# KiCad board mainPCB.kicad_pcb (continued)
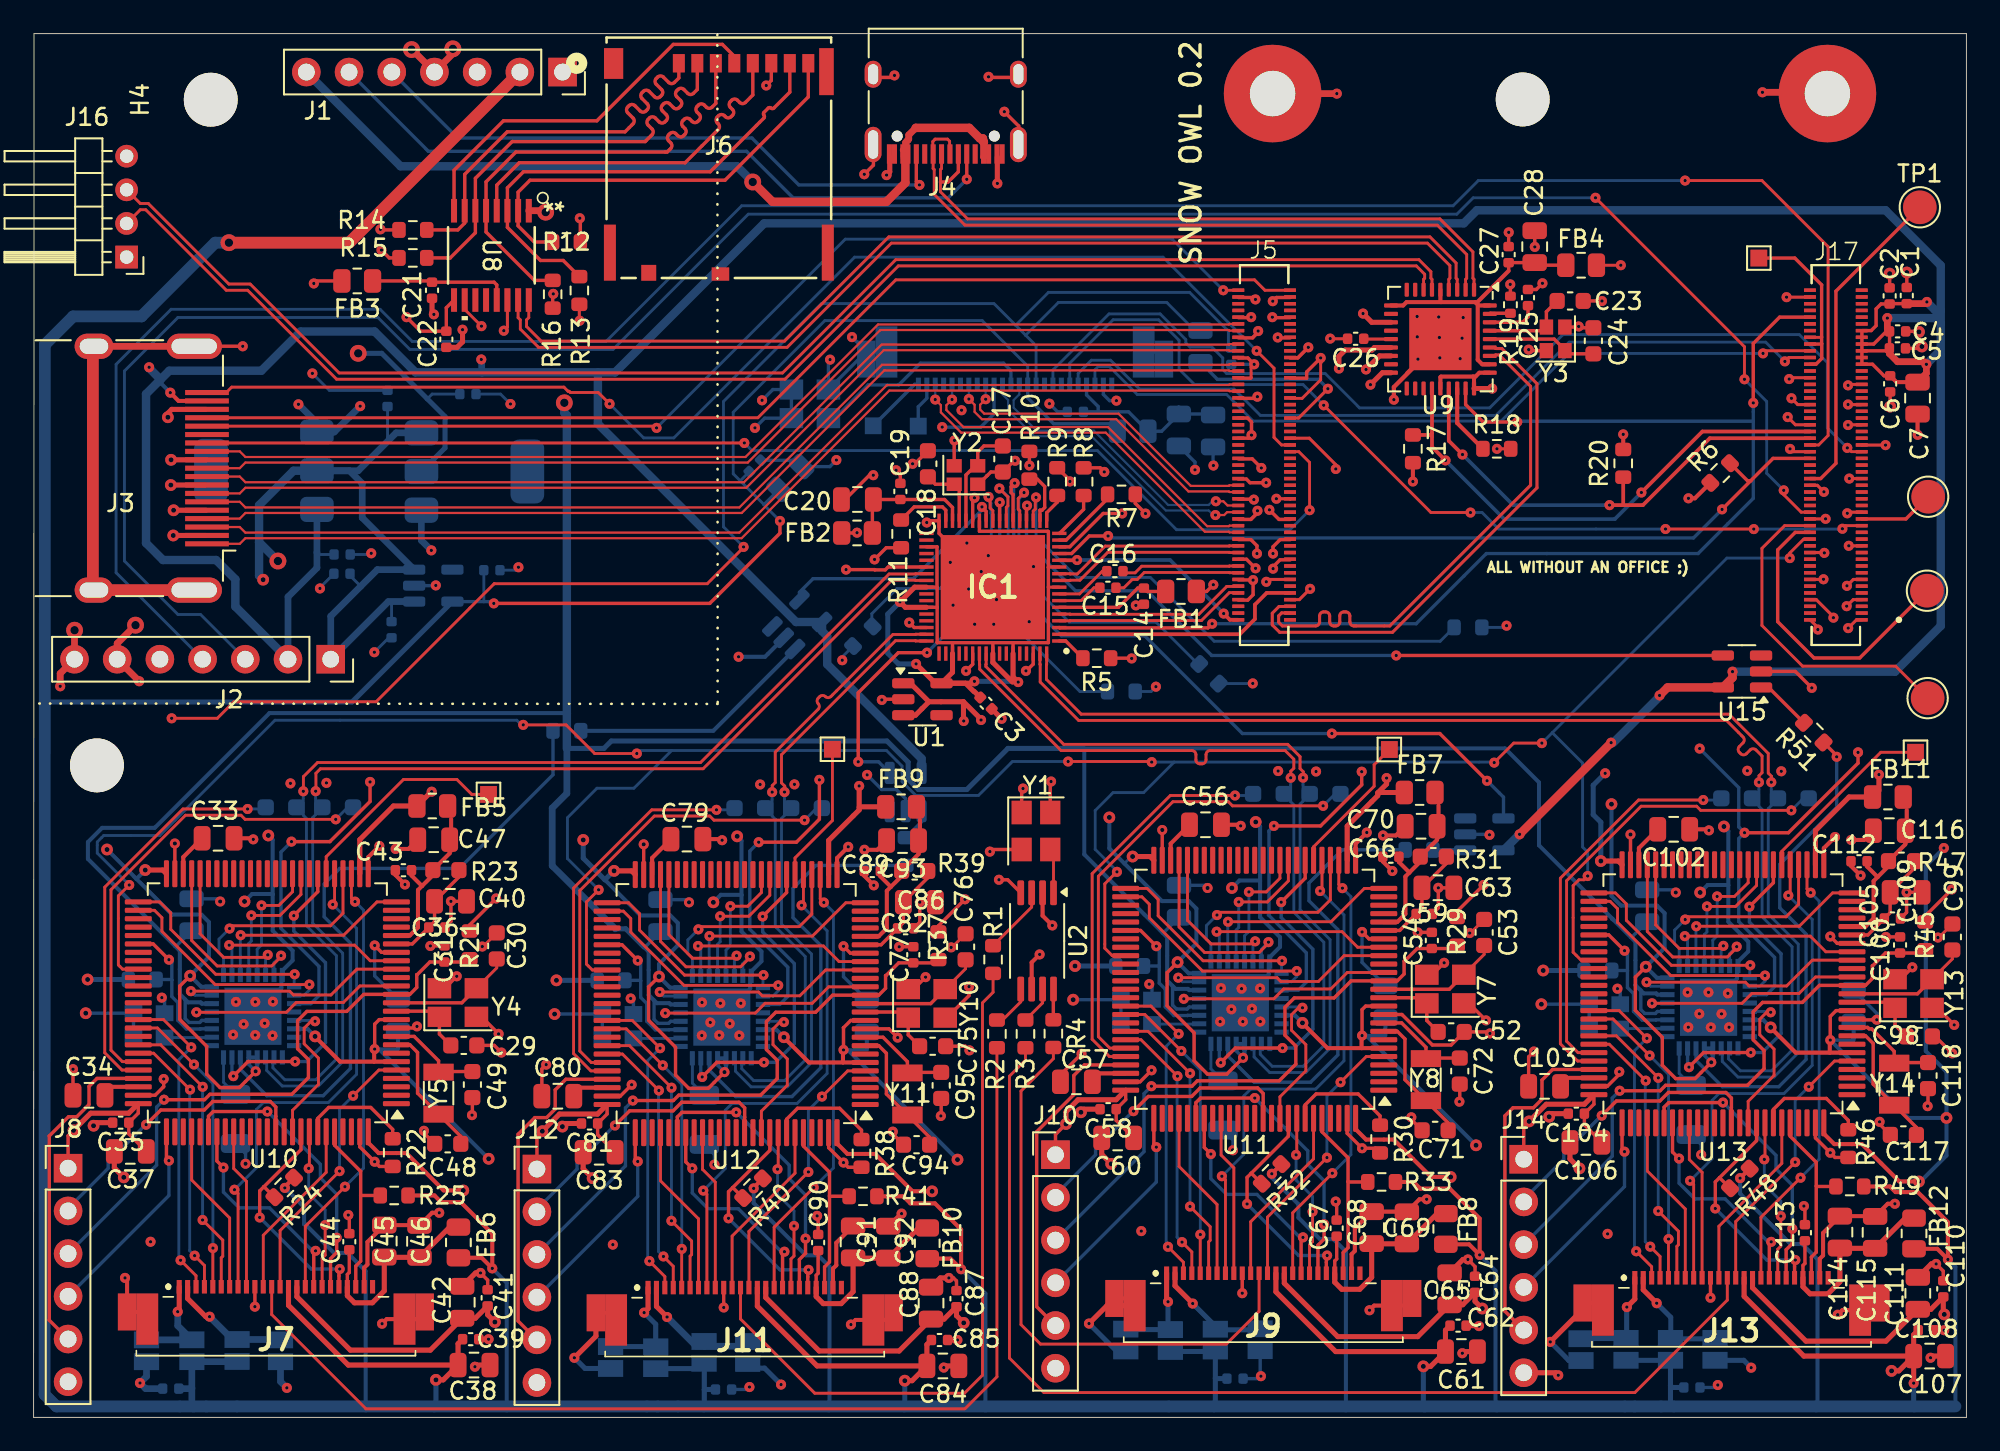
[diagram p0: board, top side]
## Nets (continued)
/stm-camera0/Y3: J7.5 U10.66
/stm-camera0/Y4: J7.7 U10.79
/stm-camera0/Y5: J7.9 U10.84
/stm-camera0/Y6: J7.11 U10.95
/stm-camera0/Y7: J7.13 U10.5
/stm-camera1/AFVDD2.8V: J9.1 JP10.1 JP14.1
/stm-camera1/BACKUP_USB_D+: R58.1 U11.71
/stm-camera1/BACKUP_USB_D-: R54.1 U11.70
/stm-camera1/cam_SCL: J9.20 R32.2 U11.92
/stm-camera1/cam_SDA: J9.22 R33.2 U11.96
/stm-camera1/HSYNC: J9.16 U11.28
/stm-camera1/PCLK: J9.8 U11.30
/stm-camera1/PHY-RESETB: IC3.27 R34.1 U11.56
/stm-camera1/PWDN: J9.17 U11.82
/stm-camera1/RST: J9.19 U11.81
/stm-camera1/STM_RST: C54.1 J10.3 R29.2 U11.14
/stm-camera1/STMPHY_CLKOUT: IC3.1 U11.29
/stm-camera1/STMPHY_D0: IC3.3 U11.25
/stm-camera1/STMPHY_D1: IC3.4 U11.34
/stm-camera1/STMPHY_D2: IC3.5 U11.35
/stm-camera1/STMPHY_D3: IC3.6 U11.46
/stm-camera1/STMPHY_D4: IC3.7 U11.47
/stm-camera1/STMPHY_D5: IC3.9 U11.51
/stm-camera1/STMPHY_D6: IC3.10 U11.52
/stm-camera1/STMPHY_D7: IC3.13 U11.91
/stm-camera1/STMPHY_DIR: IC3.31 U11.17
/stm-camera1/STMPHY_NXT: IC3.2 U11.18
/stm-camera1/STMPHY_OP_ID: IC3.23 U11.32
/stm-camera1/STMPHY_STP: IC3.29 U11.15
/stm-camera1/SWCLK: J10.4 U11.76
/stm-camera1/SWDIO: J10.5 U11.72
/stm-camera1/SWO: J10.2 U11.89
/stm-camera1/VSYNC: J9.18 U11.93
/stm-camera1/Y0: J9.6 U11.68
/stm-camera1/Y1: J9.4 U11.69
/stm-camera1/Y2: J9.3 U11.65
/stm-camera1/Y3: J9.5 U11.66
/stm-camera1/Y4: J9.7 U11.79
/stm-camera1/Y5: J9.9 U11.84
/stm-camera1/Y6: J9.11 U11.95
/stm-camera1/Y7: J9.13 U11.5
/stm-camera2/AFVDD2.8V: J11.1 JP11.1 JP15.1
/stm-camera2/BACKUP_USB_D+: R59.1 U12.71
/stm-camera2/BACKUP_USB_D-: R55.1 U12.70
/stm-camera2/cam_SCL: J11.20 R40.2 U12.92
/stm-camera2/cam_SDA: J11.22 R41.2 U12.96
/stm-camera2/HSYNC: J11.16 U12.28
/stm-camera2/PCLK: J11.8 U12.30
/stm-camera2/PHY-RESETB: IC4.27 R42.1 U12.56
/stm-camera2/PWDN: J11.17 U12.82
/stm-camera2/RST: J11.19 U12.81
/stm-camera2/STM_RST: C77.1 J12.3 R37.2 U12.14
/stm-camera2/STMPHY_CLKOUT: IC4.1 U12.29
/stm-camera2/STMPHY_D0: IC4.3 U12.25
/stm-camera2/STMPHY_D1: IC4.4 U12.34
/stm-camera2/STMPHY_D2: IC4.5 U12.35
/stm-camera2/STMPHY_D3: IC4.6 U12.46
/stm-camera2/STMPHY_D4: IC4.7 U12.47
/stm-camera2/STMPHY_D5: IC4.9 U12.51
/stm-camera2/STMPHY_D6: IC4.10 U12.52
/stm-camera2/STMPHY_D7: IC4.13 U12.91
/stm-camera2/STMPHY_DIR: IC4.31 U12.17
/stm-camera2/STMPHY_NXT: IC4.2 U12.18
/stm-camera2/STMPHY_OP_ID: IC4.23 U12.32
/stm-camera2/STMPHY_STP: IC4.29 U12.15
/stm-camera2/SWCLK: J12.4 U12.76
/stm-camera2/SWDIO: J12.5 U12.72
/stm-camera2/SWO: J12.2 U12.89
/stm-camera2/VSYNC: J11.18 U12.93
/stm-camera2/Y0: J11.6 U12.68
/stm-camera2/Y1: J11.4 U12.69
/stm-camera2/Y2: J11.3 U12.65
/stm-camera2/Y3: J11.5 U12.66
/stm-camera2/Y4: J11.7 U12.79
/stm-camera2/Y5: J11.9 U12.84
/stm-camera2/Y6: J11.11 U12.95
/stm-camera2/Y7: J11.13 U12.5
/stm-camera3/AFVDD2.8V: J13.1 JP12.1 JP16.1
/stm-camera3/BACKUP_USB_D+: R60.1 U13.71
/stm-camera3/BACKUP_USB_D-: R56.1 U13.70
/stm-camera3/cam_SCL: J13.20 R48.2 U13.92
/stm-camera3/cam_SDA: J13.22 R49.2 U13.96
/stm-camera3/HSYNC: J13.16 U13.28
/stm-camera3/PCLK: J13.8 U13.30
/stm-camera3/PHY-RESETB: IC5.27 R50.1 U13.56
/stm-camera3/PWDN: J13.17 U13.82
/stm-camera3/RST: J13.19 U13.81
/stm-camera3/STM_RST: C100.1 J14.3 R45.2 U13.14
/stm-camera3/STMPHY_CLKOUT: IC5.1 U13.29
/stm-camera3/STMPHY_D0: IC5.3 U13.25
/stm-camera3/STMPHY_D1: IC5.4 U13.34
/stm-camera3/STMPHY_D2: IC5.5 U13.35
/stm-camera3/STMPHY_D3: IC5.6 U13.46
/stm-camera3/STMPHY_D4: IC5.7 U13.47
/stm-camera3/STMPHY_D5: IC5.9 U13.51
/stm-camera3/STMPHY_D6: IC5.10 U13.52
/stm-camera3/STMPHY_D7: IC5.13 U13.91
/stm-camera3/STMPHY_DIR: IC5.31 U13.17
/stm-camera3/STMPHY_NXT: IC5.2 U13.18
/stm-camera3/STMPHY_OP_ID: IC5.23 U13.32
/stm-camera3/STMPHY_STP: IC5.29 U13.15
/stm-camera3/SWCLK: J14.4 U13.76
/stm-camera3/SWDIO: J14.5 U13.72
/stm-camera3/SWO: J14.2 U13.89
/stm-camera3/VSYNC: J13.18 U13.93
/stm-camera3/Y0: J13.6 U13.68
/stm-camera3/Y1: J13.4 U13.69
/stm-camera3/Y2: J13.3 U13.65
/stm-camera3/Y3: J13.5 U13.66
/stm-camera3/Y4: J13.7 U13.79
/stm-camera3/Y5: J13.9 U13.84
/stm-camera3/Y6: J13.11 U13.95
/stm-camera3/Y7: J13.13 U13.5
/USB3_D+: J16.2 U9.7
/USB3_D-: J16.3 U9.6
/USB3_SD_D+: U8.15 U9.4
/USB3_SD_D-: U8.16 U9.3
/USB_HUB_SCL: R20.1 U3.56 U9.24
/USB_HUB_SDA: R17.1 U3.58 U9.22
/USB_HUB_UP_D+: U3.105 U9.31
/USB_HUB_UP_D-: U3.103 U9.30
/USBC-CC1: J1.6 J4.A5
/USBC-CC2: J1.5 J4.B5
/USBC-VBUS: J1.7 J4.A4 J4.A9 J4.B4 J4.B9
/USBC_D+: J4.A6 J4.B6 U9.2
/USBC_D-: J4.A7 J4.B7 U9.1
GPIO_Cam_Trigger: U3.26 U10.59 U11.59 U12.59 U13.59
Net-(C27-Pad2): C27.2 C28.2 FB4.1 U9.5 U9.10 U9.29 U9.36
Net-(C33-Pad2): C33.2 U10.48
Net-(C34-Pad2): C34.2 U10.73
Net-(C44-Pad1): C44.1 C45.1 C46.1 FB6.2 J7.21
Net-(C56-Pad2): C56.2 U11.48
Net-(C57-Pad2): C57.2 U11.73
Net-(C67-Pad1): C67.1 C68.1 C69.1 FB8.2 J9.21
Net-(C79-Pad2): C79.2 U12.48
Net-(C80-Pad2): C80.2 U12.73
Net-(C90-Pad1): C90.1 C91.1 C92.1 FB10.2 J11.21
Net-(C102-Pad2): C102.2 U13.48
Net-(C103-Pad2): C103.2 U13.73
Net-(C113-Pad1): C113.1 C114.1 C115.1 FB12.2 J13.21
Net-(IC1-AVDD33_1): C14.2 FB1.2 IC1.6
Net-(IC1-AVDD33_2): C19.2 C20.2 FB2.2 IC1.32
Net-(IC1-OCI1B): IC1.26 R64.2
Net-(IC1-OCI2B): IC1.24 R63.2
Net-(IC1-OCI3B): IC1.22 R62.2
Net-(IC1-OCI4B): IC1.20 R61.2
Net-(IC1-PETXN): C16.1 IC1.8
Net-(IC1-PETXP): C15.1 IC1.7
Net-(IC1-PPON1): IC1.27 U16.4
Net-(IC1-PPON2): IC1.25 U7.4
Net-(IC1-PPON3): IC1.23 U14.4
Net-(IC1-PPON4): IC1.21 U15.4
Net-(IC1-RREF): IC1.33 R11.1
Net-(IC1-SMIB): IC1.1 R5.2
Net-(IC1-SPICSB): IC1.17 R8.2
Net-(IC1-SPISCK): IC1.18 R9.2
Net-(IC1-SPISI): IC1.19 R10.2
Net-(IC1-SPISO): IC1.16 R7.2
Net-(IC1-XT1): C18.2 IC1.31 Y2.1
Net-(IC1-XT2): C17.2 IC1.30 Y2.3
Net-(IC2-RBIAS): IC2.24 R28.1
Net-(IC2-REFCLK): IC2.26 Y6.3
Net-(IC2-VBUS): IC2.22 R27.1
Net-(IC3-RBIAS): IC3.24 R36.1
Net-(IC3-REFCLK): IC3.26 Y9.3
Net-(IC3-VBUS): IC3.22 R35.1
Net-(IC4-RBIAS): IC4.24 R44.1
Net-(IC4-REFCLK): IC4.26 Y12.3
Net-(IC4-VBUS): IC4.22 R43.1
Net-(IC5-RBIAS): IC5.24 R52.1
Net-(IC5-REFCLK): IC5.26 Y15.3
Net-(IC5-VBUS): IC5.22 R51.1
Net-(J6-CD/DAT3): J6.2 R15.1 U8.6
Net-(J6-CLK): J6.5 U8.4
Net-(J6-CMD): J6.3 R16.1 U8.5
Net-(J6-DA0): J6.7 R13.1 U8.3
Net-(J6-DAT1): J6.8 R12.1 U8.2
Net-(J6-DAT2): J6.1 R14.1 U8.7
Net-(J6-VDD): J6.4 U8.8
Net-(JP1-A): J7.2 JP1.1 JP5.1
Net-(JP2-A): J9.2 JP2.1 JP6.1
Net-(JP3-A): J11.2 JP3.1 JP7.1
Net-(JP4-A): J13.2 JP4.1 JP8.1
Net-(U2-1Y0): R1.1 U2.3
Net-(U2-1Y1): R2.1 U2.5
Net-(U2-1Y2): R3.1 U2.7
Net-(U2-1Y3): R4.1 U2.8
Net-(U2-CLKIN): U2.1 Y1.3
Net-(U3A-GPIO_VREF): TP11.1 U3.78 U3.84 U3.86
Net-(U8-VDDA): C21.1 FB3.1 U8.13
Net-(U9-CRFILT): C26.1 U9.14
Net-(U9-HS_IND/CFG_SEL1): R18.1 U9.25
Net-(U9-PLLFILT): C25.1 U9.34
Net-(U9-RBIAS): R19.2 U9.35
Net-(U9-XTALIN/CLKIN): C23.2 U9.33 Y3.3
Net-(U9-XTALOUT): C24.2 U9.32 Y3.1
Net-(U10-BOOT0): R22.1 U10.94
Net-(U10-PA7): TP7.1 U10.31
Net-(U10-PC14): C48.1 U10.8 Y5.2
Net-(U10-PC15): C49.1 U10.9 Y5.1
Net-(U10-PH0): C29.2 U10.12 Y4.1
Net-(U10-PH1): C30.2 U10.13 Y4.3
Net-(U10-VDDA): C43.1 C47.1 FB5.2 R23.1 U10.21
Net-(U10-VREF+): C36.2 C40.2 R23.2 U10.20
Net-(U11-BOOT0): R30.1 U11.94
Net-(U11-PA7): TP8.1 U11.31
Net-(U11-PC14): C71.1 U11.8 Y8.2
Net-(U11-PC15): C72.1 U11.9 Y8.1
Net-(U11-PH0): C52.2 U11.12 Y7.1
Net-(U11-PH1): C53.2 U11.13 Y7.3
Net-(U11-VDDA): C66.1 C70.1 FB7.2 R31.1 U11.21
Net-(U11-VREF+): C59.2 C63.2 R31.2 U11.20
Net-(U12-BOOT0): R38.1 U12.94
Net-(U12-PA7): TP9.1 U12.31
Net-(U12-PC14): C94.1 U12.8 Y11.2
Net-(U12-PC15): C95.1 U12.9 Y11.1
Net-(U12-PH0): C75.2 U12.12 Y10.1
Net-(U12-PH1): C76.2 U12.13 Y10.3
Net-(U12-VDDA): C89.1 C93.1 FB9.2 R39.1 U12.21
Net-(U12-VREF+): C82.2 C86.2 R39.2 U12.20
Net-(U13-BOOT0): R46.1 U13.94
Net-(U13-PA7): TP10.1 U13.31
Net-(U13-PC14): C117.1 U13.8 Y14.2
Net-(U13-PC15): C118.1 U13.9 Y14.1
Net-(U13-PH0): C98.2 U13.12 Y13.1
Net-(U13-PH1): C99.2 U13.13 Y13.3
Net-(U13-VDDA): C112.1 C116.1 FB11.2 R47.1 U13.21
Net-(U13-VREF+): C105.2 C109.2 R47.2 U13.20

Pads without a net: IC1 35 36 38 39 44 45 47 48 52 53 55 56 61 62 64 65; IC2 12 15 16 17 25; IC3 12 15 16 17 25; IC4 12 15 16 17 25; IC5 12 15 16 17 25; J2 5; J3 14; J4 A8 B8; J5 1 2 3 4 5 6 7 8 9 10 11 12 13 14 15 16 17 18 19 20 21 22 23 24 25 26 27 28 29 30 31 32 33 34 35 36 37 38 39 40 41 42 43 44 45 46 47 48 49 50 51 52 53 54 55 56 57 58 59 60 61 62 63 64 65 66 67 68 69 70 71 72 73 74 75 76 77 78 79 80 81 82 83 84 85 86 87 88 89 90 91 92 93 94 95 96 97 98 99 100; J6 9 10 11 12 13 14; J7 24; J9 24; J11 24; J13 24; J15 4 6 8 16 18 24 AMP2 MP2; J17 1 2 3 4 5 6 7 8 9 10 11 12 13 14 15 16 17 18 19 20 21 22 23 24 25 26 27 28 29 30 31 32 33 34 35 36 37 38 39 40 41 42 43 44 45 46 47 48 49 50 51 52 53 54 55 56 57 58 59 60 61 62 63 64 65 66 67 68 69 70 71 72 73 74 75 76 77 78 79 80 81 82 83 84 85 86 87 88 89 90 91 92 93 94 95 96 97 98 99 100; U1 4; U3 3 4 5 6 9 10 11 12 15 16 17 18 19 20 21 24 25 27 35 36 37 38 39 40 41 45 46 47 48 49 55 57 61 62 63 64 67 68 69 70 72 73 75 76 88 89 90 91 93 94 95 96 97 99 100 101 104 106 111 115 117 121 123 127 129 133 135 139 141 143 145 146 147 148 149 152 154 157 158 159 160 163 164 165 166 169 171 175 177 181 183 187 189 193 194 195 196; U4 4; U5 4; U6 4; U7 3; U8 11 12; U9 8 9 11 13 17 19 20 21; U10 1 2 3 4 7 16 22 23 24 33 36 37 38 39 40 41 42 43 44 45 53 54 55 57 58 60 61 62 63 64 67 77 78 80 83 85 86 87 88 90 97 98; U11 1 2 3 4 7 16 22 23 24 33 36 37 38 39 40 41 42 43 44 45 53 54 55 57 58 60 61 62 63 64 67 77 78 80 83 85 86 87 88 90 97 98; U12 1 2 3 4 7 16 22 23 24 33 36 37 38 39 40 41 42 43 44 45 53 54 55 57 58 60 61 62 63 64 67 77 78 80 83 85 86 87 88 90 97 98; U13 1 2 3 4 7 16 22 23 24 33 36 37 38 39 40 41 42 43 44 45 53 54 55 57 58 60 61 62 63 64 67 77 78 80 83 85 86 87 88 90 97 98; U14 3; U15 3; U16 3

## Via types
v1: diameter 0.6, hole 0.2, F.Cu Signal to B.Cu Signal, 625 vias
v2: diameter 1, hole 0.5, F.Cu Signal to B.Cu Signal, 10 vias
v3: diameter 0.6, hole 0.25, F.Cu Signal to B.Cu Signal, 16 vias
v4: diameter 0.7, hole 0.3, F.Cu Signal to B.Cu Signal, 71 vias

## Routing (per net, layer and track width the routed paths; a pad name or vN(x,y) marks a point on that pad's centre or on a via; arc(x,y) is an arc through that point)
1.5v out: length 420.5
  F.Cu Signal w0.17: v1(42.22,51.77) 42.22,51.74 40.06,49.58 27.39,49.58 20.37,42.56 11.91,42.56 10.93,41.58 v1(8.21,41.58)
  F.Cu Signal w0.3: C111.1 112.07,6.29 ; C111.1 112.84,6.43 C110.1 113.58,6.18 v4(113.64,6.12) ; C111.1 110.17,4.53 105.41,4.53 102.24,7.71 J13.15 ; J9.15 74.39,7.98 77.56,4.8 82.32,4.8 C65.1 ; C42.1 23.59,4 18.84,4 15.66,7.18 J7.15 ; C42.1 26.27,5.89 C41.1 27,6.1 v4(27.43,5.67) ; C42.1 25.49,5.75 ; C88.1 53.38,5.7 ; C88.1 54.15,5.84 C87.1 54.89,6.05 v4(55.32,5.62) ; C88.1 51.48,3.95 46.72,3.95 43.54,7.13 J11.15 ; C65.1 84.22,6.56 ; C65.1 85,6.7 C64.1 85.73,6.9 v4(86.16,6.47)
  In2.Cu 5v 3.3v gnd w0.17: 0.67,42.15 7.64,42.15 v1(8.21,41.58)
  In2.Cu 5v 3.3v gnd w0.3: 86.16,6.45 v4(86.16,6.47) 86.95,5.69 86.95,0.65 ; v4(55.32,5.62) 55.32,5.39 55.73,4.97 55.72,4.95 55.72,0.65 ; v2(19.3,63.29) 18.7,63.29 14.18,67.81 ; v4(27.43,5.67) 27.48,5.67 28.04,5.11 28.04,0.65 ; v4(113.64,6.12) 114.09,6.12 114.3,5.91 114.3,0.65
  In2.Cu 5v 3.3v gnd w0.7: J1.3 11.84,65.48 2.41,65.48 0.67,63.74 0.66,34.55 0.66,1.28 1.29,0.65 114.3,0.65
  B.Cu Signal w0.17: 71.06,63.58 71.06,64.61 68.75,66.91 60.36,66.91 58.41,64.96 ; 59,64.37 59.62,63.74 J15.15 ; 59,64.37 60.95,66.31 67.39,66.31 69.39,64.31 ; 59,64.37 58.41,64.96 ; C11.1 23.7,60.87 23.41,60.58 ; 58.41,64.96 57.12,66.25 46.85,66.25 41.03,60.42 41.03,52.97 v1(42.22,51.77)
  B.Cu Signal w0.3: v2(19.3,63.29) 20.7,63.29 24.47,59.52 24.47,57.66 23.06,56.26
1.8v out: length 219.3
  In2.Cu 5v 3.3v gnd w0.3: 31.46,60.45 v2(31.56,60.35) ; J1.1 30.7,80.02
  In2.Cu 5v 3.3v gnd w0.5: J1.1 31.46,60.45
  B.Cu Signal w0.2: 9,24.87 9.02,24.85 9.02,23.72 9.25,23.49 9.88,23.49 10,23.61 10.59,23.61 ; 8.41,28.03 8.48,28.03 C50.2 ; IC5.28 96.58,24.14 96.46,24.02 95.82,24.02 95.59,24.25 95.59,25.39 95.58,25.4 ; 67.14,28.83 67.21,28.83 C73.2 ; 36.3,27.98 36.36,27.98 C96.2 ; IC4.28 37.89,23.56 37.77,23.44 37.13,23.44 36.9,23.67 36.9,24.8 36.89,24.82 ; C119.2 95.06,28.56 94.99,28.56 ; 67.73,25.67 67.74,25.66 67.74,24.52 67.97,24.29 68.61,24.29 68.73,24.41 IC3.28
  B.Cu Signal w0.24: IC4.30 37.89,24.56 37.81,24.63 37.07,24.63 36.58,25.12 36.58,27.7 36.3,27.98 ; IC5.30 96.58,25.14 96.5,25.22 95.76,25.22 95.27,25.71 95.27,28.28 93.91,29.64 93.9,29.63 93.9,29.66 89.53,34.02 89.53,37.77 87.52,39.79 62.45,39.79 62.49,39.75 62.49,33.48 67.42,28.55 67.42,25.98 67.91,25.49 68.65,25.49 68.73,25.41 IC3.30 ; 31.72,41.85 31.68,41.89 14.02,41.89 7.2,35.06 4.08,35.06 3.23,34.22 3.23,33.21 8.7,27.75 8.7,25.17 9.19,24.68 9.93,24.68 10,24.61 IC2.30
  B.Cu Signal w0.3: 31.72,39.79 33.92,39.79 34.36,40.23 50.75,40.23 52.02,38.97 52.02,37.95 52.62,37.34 55.5,37.34 57.95,39.79 62.45,39.79 ; 36.3,27.98 35.22,29.06 34.59,29.06
  B.Cu Signal w0.4: 34.59,29.06 30.84,32.81 30.84,36.24 31.72,37.11 31.72,39.79
  B.Cu Signal w0.5: v2(31.56,60.35) 31.56,59.75 31.72,59.6 31.72,39.79
2.8v out: length 542.3
  F.Cu Signal w0.2: 27.33,48.41 v1(27.37,48.41) 40.22,48.41 44.39,52.59 v1(44.39,53.32)
  F.Cu Signal w0.24: R41.1 51.72,13.15 52.14,12.73 53.61,12.73 55.16,11.17 v1(55.16,8.81) 54.53,9.44 FB10.1 ; 101.47,14.22 101.49,14.22 v1(101.5,14.23) R48.1 ; v1(73.64,14.49) 73.64,14.49 R32.1 ; R49.1 110.41,13.73 110.74,13.4 112.06,13.4 113.85,11.61 v1(113.85,9.4) 113.22,10.03 FB12.1 ; R25.1 23.84,13.2 24.24,12.8 25.41,12.8 27.28,10.93 v1(27.28,8.86) 26.65,9.49 FB6.1 ; v1(42.83,13.62) 42.83,13.66 R40.1 ; R33.1 82.07,14 82.47,13.6 84.23,13.6 86.01,11.83 v1(86.01,9.66) 85.38,10.29 FB8.1 ; v1(14.94,13.65) 14.94,13.71 R24.1
  F.Cu Signal w0.3: C84.2 53.13,4.33 C85.1 ; C84.2 52.25,2.18 v4(51.81,2.18) ; C84.2 46.6,3.06 43.04,6.61 J11.14 ; C107.2 v1(111.82,2.04) 111.83,2.02 ; C107.2 105.29,3.65 101.74,7.2 J13.14 ; C107.2 110.94,2.77 v4(110.5,2.77) ; C107.2 111.82,4.92 C108.1 ; C62.1 83.97,5.18 C61.2 ; C61.2 83.09,3.03 v4(82.66,3.03) ; C61.2 77.44,3.91 73.89,7.47 J9.14 ; C38.2 24.36,2.23 v4(23.93,2.23) ; C38.2 25.24,4.38 C39.1 ; C38.2 18.71,3.11 15.16,6.66 J7.14
  F.Cu Signal w0.7: J1.2 18.77,69.87 v2(11.62,69.87)
  B.Cu Signal w0.17: J15.14 59.12,62.53 56.42,65.23 47.06,65.23 41.61,59.78 41.61,56.12 42.01,55.72 ; 43.43,54.3 43.43,54.3 C135.2 ; 43.43,54.3 43.43,54.28 v1(44.39,53.32) ; 43.43,54.3 42.01,55.72 ; C13.1 26.77,48.53 26.77,48.52 ; 42.01,55.72 42.04,55.72 42.57,56.25
  B.Cu Signal w0.2: 67.47,0.69 67.51,0.65 ; 8.7,0.66 8.69,0.65 ; 12.1,0.66 12.09,0.65 ; J15.14 59.12,60.64 60.67,59.1 64.01,59.1 FB14.1 ; 95.25,0.68 95.22,0.65 ; 36.54,0.72 36.47,0.65 ; U6.5 27.26,48.52 v1(27.37,48.41)
  B.Cu Signal w0.24: v1(42.83,13.62) 42.83,12.74 45.93,9.64 46.66,9.64 47.34,8.96 47.34,0.7 47.29,0.65 ; 19.75,0.65 19.75,8.69 18.66,9.78 17.87,9.78 16.16,11.49 16.09,11.49 16.09,12.5 v1(14.94,13.65) ; v1(113.85,9.4) 114.3,8.95 114.3,0.65 ; 78.05,0.65 78.05,9.86 77.31,10.6 76.51,10.6 75.22,11.88 75.22,12.67 73.64,14.25 v1(73.64,14.49) ; 56.61,0.65 56.61,7.36 v1(55.16,8.81) ; v1(27.28,8.86) 28.14,8 28.14,0.65 ; 106.02,0.65 106.1,0.73 106.1,9.39 105.19,10.31 104.5,10.31 101.5,13.31 v1(101.5,14.23) ; 87.03,0.65 86.95,0.73 86.95,8.72 v1(86.01,9.66)
  B.Cu Signal w0.3: 70.28,2.33 JP6.2 70.26,3.92 67.61,3.92 ; 70.28,2.33 70.28,0.73 70.2,0.65 ; 70.28,2.33 70.31,2.3 C55.1 ; 97.35,1.87 97.35,0.85 97.55,0.65 ; 97.35,1.87 JP8.2 JP12.2 ; 97.35,1.87 97.44,1.78 C101.1 ; 0.66,42.55 18.94,42.55 U6.5 ; 111.85,0.65 111.82,0.69 v1(111.82,2.04) ; 37,0.76 37.11,0.65 ; 82.72,0.65 82.66,0.71 v4(82.66,3.03) ; 67.61,0.75 67.51,0.65 ; v4(51.81,2.18) 51.81,0.67 51.79,0.65 ; 23.83,0.65 23.93,0.75 v4(23.93,2.23) ; 39.89,1.65 39.89,0.69 39.86,0.65 ; 39.89,1.65 39.89,2.95 ; 39.89,1.65 39.9,1.66 40.56,1.66 ; JP7.2 39.56,2.9 JP11.2 ; 94.71,0.73 94.63,0.65
  B.Cu Signal w0.4: 9.52,0.65 9.41,0.76 9.41,1.74 ; JP5.2 12.09,3.31 JP9.2 9.41,1.74 ; 9.41,1.74 9.38,1.71 C32.1
  B.Cu Signal w0.7: v2(11.62,69.87) 10.8,69.87 6.41,65.48 2.35,65.48 0.67,63.81 0.66,42.55 0.65,1.36 1.36,0.65 114.3,0.65
+3.3V: length 573.9
  F.Cu Signal w0.17: 49.12,36.31 49.1,36.29 ; 79.97,37.17 79.94,37.14 ; FB4.2 v1(94.4,68.53) ; v1(23.68,37.21) 23.65,37.21 ; 109.75,37.28 FB11.1
  F.Cu Signal w0.18: R13.2 32.46,65.25 v1(32.47,65.23) ; v1(87.03,57.61) R18.2
  F.Cu Signal w0.2: v1(73.77,35.18) 76.55,35.18 78.99,37.62 v1(78.99,38.41) ; IC1.66 59.45,44.8 59.05,44.4 v1(59.02,44.4) ; v1(101.76,34.77) 104.37,34.77 108.51,38.91 v1(108.51,39.55) ; R29.1 84.66,30.09 v1(86.24,31.67) ; C60.1 64.39,17.66 C58.1 64.95,18.9 U11.75 ; R37.1 53.81,29.23 v1(55.39,30.81) ; FB2.1 48.96,52.6 v1(48.97,52.62) ; v1(27.51,30.86) 25.93,29.28 R21.1 ; v1(30.91,66.83) 30.87,66.79 R16.2 ; v4(95.89,26.8) 95.27,26.18 95.27,24.21 96.87,22.61 96.87,20.95 97.66,20.15 98.81,20.15 v3(99.78,21.12) ; IC1.40 50.83,50.58 50.66,50.41 50.03,50.41 50.02,50.42 v1(48.32,50.42) ; v1(64.75,53.77) 63.61,53.77 61.63,51.78 IC1.15 ; v3(13.2,20.58) 12.24,19.62 11.09,19.62 10.29,20.41 10.29,22.07 8.69,23.68 8.69,25.65 v4(9.31,26.27) ; v1(46.73,37.92) 46.73,35.58 45.36,34.21 v1(43.12,34.21) ; v1(70.17,49.52) 69.77,49.12 FB1.1 ; v1(66.13,53.76) 65.53,54.37 R7.1 ; v1(55.46,44.4) 55.85,44.79 IC1.57 ; v1(20.01,37.8) 20.01,36.63 17.62,34.24 v1(15.34,34.24) ; U12.75 34.11,18.04 C81.1 33.55,16.81 C83.1 ; v1(20.63,70.66) 20.66,70.63 R14.2 21.56,70.63 ; J8.1 2.05,16.75 v4(2.37,17.07) ; v4(30.26,17.02) 29.94,16.7 J12.1 ; v3(71.93,21.39) 70.96,20.42 69.82,20.42 69.02,21.21 69.02,22.87 67.42,24.48 67.42,26.45 v4(68.04,27.07) ; 86.74,61.2 v1(86.75,61.19) ; U8.9 24.55,66 C22.2 23.01,64.61 v1(22.18,65.44) ; IC1.29 55.85,54.59 v1(55.96,54.7) ; Y1.1 58.77,37.32 v1(58.84,37.4) ; Y1.4 60.47,37.77 v1(60.52,37.82) ; FB3.2 16.81,67.59 v1(16.66,67.44) ; v1(106.86,22.44) 106.86,23.85 107.2,24.19 U13.11 ; U13.75 92.8,18.63 C104.1 92.24,17.39 C106.1 ; 49.46,23.61 48.6,23.61 48.17,23.17 48.17,23.17 v1(48.17,21.86) ; 53.1,46.98 52.38,46.98 v1(52.08,47.27) ; 6.23,18.66 6.23,18.09 C35.1 5.66,16.86 C37.1 ; v3(41.09,20.54) 40.12,19.57 38.97,19.57 38.18,20.36 38.18,22.02 36.57,23.63 36.57,25.6 v4(37.2,26.22) ; v4(88.95,17.61) 88.63,17.28 J14.1 ; 21.58,23.66 20.55,23.66 20.28,23.39 v1(20.28,21.91) ; R45.1 112.51,29.82 v1(114.09,31.4) ; R15.2 21.16,68.97 v1(20.69,69.43) ; U11.11 79.22,24.46 79.01,24.25 v1(79.01,22.71) ; v1(32.48,71.32) 32.52,71.29 R12.2 ; J10.1 60.78,16.83 v4(61.4,17.45) ; v1(65.31,45.14) 65.29,45.16 R5.1
  F.Cu Signal w0.24: U2.6 59.36,27.06 v1(59.83,27.54) ; 48.14,21.11 46.11,21.11 44.62,22.6 v4(44.62,22.61) ; 48.14,21.11 49.46,21.11 ; 48.14,21.11 48.14,21.83 48.16,21.86 v1(48.17,21.86) ; 85.62,61.91 85.67,61.85 U9.27 85.67,61.11 ; 85.62,61.91 83.7,61.91 83.67,61.87 U9.23 ; 85.62,61.91 85.75,61.91 85.98,62.13 U9.28 ; R17.2 v1(82.03,55.66) ; v4(112.13,14.03) 112.13,14.03 110.96,14.03 108.74,16.25 107.1,16.25 106.48,16.87 U13.100 ; R20.2 v1(94.54,58.47) ; v4(25.55,13.5) 25.55,13.5 24.38,13.5 22.16,15.72 20.52,15.72 19.9,16.34 U10.100 ; 78.98,21.96 76.95,21.96 75.47,23.45 v4(75.47,23.46) ; 78.98,21.96 78.98,22.68 79.01,22.71 v1(79.01,22.71) ; 78.98,21.96 U11.6 ; v4(16.74,22.66) 16.74,22.65 18.23,21.16 20.25,21.16 ; U12.100 47.78,16.29 48.41,15.67 50.05,15.67 52.27,13.45 53.44,13.45 v4(53.44,13.45) ; v1(98.43,54.66) 98.81,54.66 R6.1 ; v1(106.86,22.44) 106.85,22.44 106.83,22.42 106.83,21.69 ; v4(103.31,23.2) 103.31,23.18 104.8,21.69 106.83,21.69 ; 13.16,20.58 v3(13.2,20.58) ; 20.25,21.16 20.25,21.88 20.28,21.91 v1(20.28,21.91) ; 20.25,21.16 21.58,21.16 ; U2.2 60.01,29.84 v1(60.59,29.26) ; v4(84.28,14.3) 84.28,14.3 83.11,14.3 80.89,16.52 79.25,16.52 78.63,17.14 U11.100 ; 41.05,20.54 v3(41.09,20.54) ; 99.74,21.12 v3(99.78,21.12) ; U13.6 106.83,21.69 ; 71.89,21.39 v3(71.93,21.39)
  F.Cu Signal w0.3: U1.1 52.15,43.66 53.25,42.56 ; U12.27 47.28,34.31 49.1,36.13 v1(49.1,37.55) ; FB9.1 49.12,36.31 ; v4(34.52,32.51) 35.56,32.51 U12.50 ; U1.3 52.45,41.77 53.25,42.56 ; 53.25,42.56 55.31,42.56 ; v1(77.64,62.38) 77.64,63.11 78.01,63.48 79.6,63.48 79.75,63.63 U9.15 ; 23.65,37.21 FB5.1 21.4,36.36 19.4,34.36 U10.27 ; U11.75 64.38,18.89 62.12,18.89 61.4,18.17 v4(61.4,17.45) ; U13.27 105.98,34.9 107.98,36.9 FB11.1 ; v4(6.64,32.56) 7.68,32.56 U10.50 ; 55.31,42.56 55.31,41.44 v1(55.32,41.42) ; 55.31,42.56 56.35,41.52 v1(56.35,41.48) ; 6.23,18.66 5.66,18.09 3.39,18.09 v4(2.37,17.07) ; U11.27 78.13,35.17 79.94,36.98 79.94,37.14 80.47,37.67 v1(80.47,38.02) ; FB7.1 79.97,37.17 ; v1(109.75,38.23) 109.75,37.28 ; U13.75 92.23,18.63 89.97,18.63 v4(88.95,17.61) ; v4(65.36,33.36) 66.41,33.36 U11.50 ; U9.27 86.74,61.2 ; v4(93.21,33.09) 94.25,33.09 U13.50 ; v4(30.26,17.02) 31.28,18.04 33.54,18.04 U12.75
  B.Cu Signal w0.17: C9.1 21.29,48.33 21.1,48.52 ; C10.1 18.82,50.06 19.45,49.43 ; v1(87.61,47.09) 87.5,46.99 R61.1 ; R64.1 48.09,45.23 v1(48.09,45.03) ; v1(72.51,43.66) 72.5,43.64 R62.1 ; 21.17,58.17 21.05,58.28 C12.1 ; 64.88,32.95 65.29,33.36 v4(65.36,33.36) ; v1(66.75,43.46) 66.47,43.17 R63.1
  B.Cu Signal w0.2: v3(71.93,21.39) 71.52,21.8 IC3.21 ; 12.8,21.41 12.8,20.99 v3(13.2,20.58) ; v1(99.09,39.78) 101.41,37.45 101.41,35.12 v1(101.76,34.77) 101.41,34.43 101.41,29.49 103.55,27.36 103.55,25.62 103.07,25.14 IC5.11 ; v1(43.12,34.21) 42.6,33.68 42.6,29.03 44.85,26.78 44.85,25.04 44.38,24.56 IC4.11 ; v1(42.9,58.85) 43.48,59.43 Y16.4 Y16.1 43.97,61.13 v1(43.33,60.49) ; IC3.11 75.22,25.41 75.7,25.89 75.7,27.63 73.44,29.88 73.47,29.92 73.47,34.88 v1(73.77,35.18) ; Y9.4 Y9.1 v4(61.83,24.84) ; IC5.21 99.37,21.53 v3(99.78,21.12) ; v1(48.17,21.86) 49.54,21.86 ; v4(3.1,24.04) 5.94,24.04 Y6.4 ; v4(89.68,24.57) Y15.1 Y15.4 ; v1(20.28,21.91) 21.65,21.91 ; IC2.11 16.49,24.61 16.97,25.09 16.97,26.83 14.71,29.08 14.71,33.62 v1(15.34,34.24) ; v1(106.86,22.44) 108.23,22.44 ; v1(79.01,22.71) 80.38,22.71 ; v4(6.64,32.56) 6.64,32.55 ; v3(41.09,20.54) 40.68,20.95 IC4.21 ; Y12.4 33.83,23.99 v4(30.98,23.99)
  B.Cu Signal w0.24: v4(54.95,15.33) 48.42,21.86 v1(48.17,21.86) ; v1(79.01,22.71) 79.27,22.71 v4(85.79,16.18) ; C74.2 80.4,22.73 ; 34.51,32.51 v4(34.52,32.51) ; 33.97,31.97 36.09,29.86 37.86,29.86 38.31,29.41 38.31,28.08 37.2,26.96 v4(37.2,26.22) 37.86,25.56 IC4.32 ; IC4.21 IC4.20 41.18,20.62 v3(41.09,20.54) ; IC5.14 102.87,23.64 v4(103.31,23.2) ; v1(20.28,21.91) 20.54,21.91 v4(27.06,15.38) ; C120.2 108.25,22.46 ; v4(63.98,35.69) 63.98,33.84 67.11,30.71 68.71,30.71 69.16,30.26 69.16,28.19 v4(68.04,27.07) 68.7,26.41 IC3.32 ; v1(113.62,33.86) 112.54,32.79 112.54,21.79 113.77,20.55 v4(113.77,17.81) ; 12.8,21.41 13.3,21.41 13.3,20.67 v3(13.2,20.58) ; v4(44.62,22.61) 44.17,23.06 IC4.14 ; IC3.14 75.02,23.91 v4(75.47,23.46) ; v4(113.77,17.81) 113.77,15.57 112.23,14.03 v4(112.13,14.03) ; v4(113.77,17.81) 111.49,17.81 v1(106.86,22.44) ; IC2.14 16.29,23.11 v4(16.74,22.66) ; 6.12,32.02 8.23,29.91 9.98,29.91 10.43,29.46 10.43,27.39 v4(9.31,26.27) 9.97,25.61 IC2.32 ; 6.12,32.02 6.64,32.55 ; 6.12,32.02 v4(4.37,33.77) ; C51.2 21.67,21.93 ; v4(93.84,36.47) 93.84,31.01 94.41,30.44 96.56,30.44 97,29.99 97,27.92 v4(95.89,26.8) 96.55,26.14 IC5.32 ; C97.2 49.56,21.88 ; v3(99.78,21.12) 99.87,21.21 IC5.20 IC5.21 ; v3(71.93,21.39) 72.02,21.48 IC3.20 IC3.21
  B.Cu Signal w0.3: R26.2 v4(3.21,26.04) ; R42.2 v4(31.09,25.99) ; v1(93.47,38.31) 92.76,37.6 92.76,35.85 93.21,35.4 v4(93.21,33.09) ; 34.51,32.51 33.97,31.97 32.69,33.26 v4(32.69,34.34) ; R34.2 v4(61.94,26.85) ; R50.2 v4(89.79,26.58)
  B.Cu Signal w0.4: 23.06,58.56 21.56,58.56 19.3,56.3 U4.2 18.79,56.3 19.55,55.55 19.55,53.51 U6.3 20.44,50.42 17.67,47.65 J2.1 21.1,48.52 U6.1
  B.Cu Signal w0.5: U4.2 15.46,56.3 13.41,54.25 13.41,52.05 ; 13.41,52.05 v2(14.53,50.94) ; 13.41,52.05 13.41,50.06 v4(13.65,49.83)
+5V: length 275
  F.Cu Signal w0.17: U8.10 25.64,65.9 v1(26.63,64.91)
  F.Cu Signal w0.2: 110.3,63.66 C5.1 ; C5.1 110.39,63.57 ; C5.1 110.23,63.44 108.74,63.44 ; C5.1 110.38,63.59 110.38,64.59 ; C1.1 110.41,66.25 C2.1 109.88,66.22 109.59,65.93 109.59,64.94 109.29,64.64 108.74,64.64 108.74,62.64 109.37,62.64 110.06,61.95 C6.1 ; 110.38,64.59 110.19,64.59 109.44,63.84 108.74,63.84 ; 110.38,64.59 110.25,64.46 ; C6.1 110.44,61.98 ; C6.1 110.38,62 ; 93.82,40.12 v1(93.82,40.13)
  F.Cu Signal w0.24: v1(8.13,60.95) 8.62,60.46 J3.18 ; C6.1 110.8,61.57 C7.1
  F.Cu Signal w0.4: 110.38,64.59 110.25,64.73 v1(110.25,65.38) ; C5.1 110.38,63.27 110.86,62.79 112.42,62.79 v1(112.57,62.63) 112.57,62.1 C7.1 ; v1(112.6,66.34) 112.5,66.25 C1.1
  F.Cu Signal w0.5: v1(88.38,34.68) 93.82,40.12 ; v1(101.04,44.35) 101.04,43.99 U15.5 97.18,43.42 v1(96.71,42.94)
  In1.Cu Ground w0.5: J16.1 5.53,63.8 v1(6.87,62.46)
  In2.Cu 5v 3.3v gnd w0.17: v1(26.62,62.92) 26.63,62.93 v1(26.63,64.91)
  B.Cu Signal w0.17: 16.85,51.45 16.97,51.33 C8.1
  B.Cu Signal w0.2: 88.38,34.68 v1(88.38,34.68) ; v1(93.82,40.13) 93.96,40.13 ; 96.71,42.88 v1(96.71,42.94)
  B.Cu Signal w0.24: v1(8.13,60.95) 7.55,61.53 7.55,61.73
  B.Cu Signal w0.4: J2.2 15.13,48.8 16.85,50.52 U4.3 ; v1(26.62,62.92) 26.65,62.9 26.65,62.16 ; v1(6.87,62.46) 6.87,62.41 ; 113.43,63.2 113.35,63.28 113.22,63.28
  B.Cu Signal w0.5: 113.22,63.28 v1(112.57,62.63) ; 33.56,62.16 22.72,62.16 20.29,64.59 15.88,64.59 13.55,62.25 8.07,62.25 7.55,61.73 ; 33.56,62.16 34.58,62.16 43.45,71.02 85.06,71.02 85.84,71.8 110.15,71.8 113.43,68.52 113.43,65.85 ; 33.56,62.16 33.56,59.09 45.35,47.31 U16.5 46.89,46.77 47.2,46.46 47.2,44.8 52.81,39.18 U7.5 ; 113.43,65.06 113.11,65.38 v1(110.25,65.38) ; 113.43,65.06 113.43,65.85 ; 113.43,65.06 113.43,47.08 110.71,44.35 v1(101.04,44.35) ; 113.43,65.85 113.1,65.85 v1(112.6,66.34) ; U14.5 88.38,34.68 ; 7.55,61.73 6.69,60.87 6.69,52 7.7,50.99 10.85,50.99 12,49.84 12,48.22 J2.2 ; 7.55,61.73 6.87,62.41 ; 93.96,40.13 96.71,42.88